# Allegro board FPGA-M1.brd (continued)
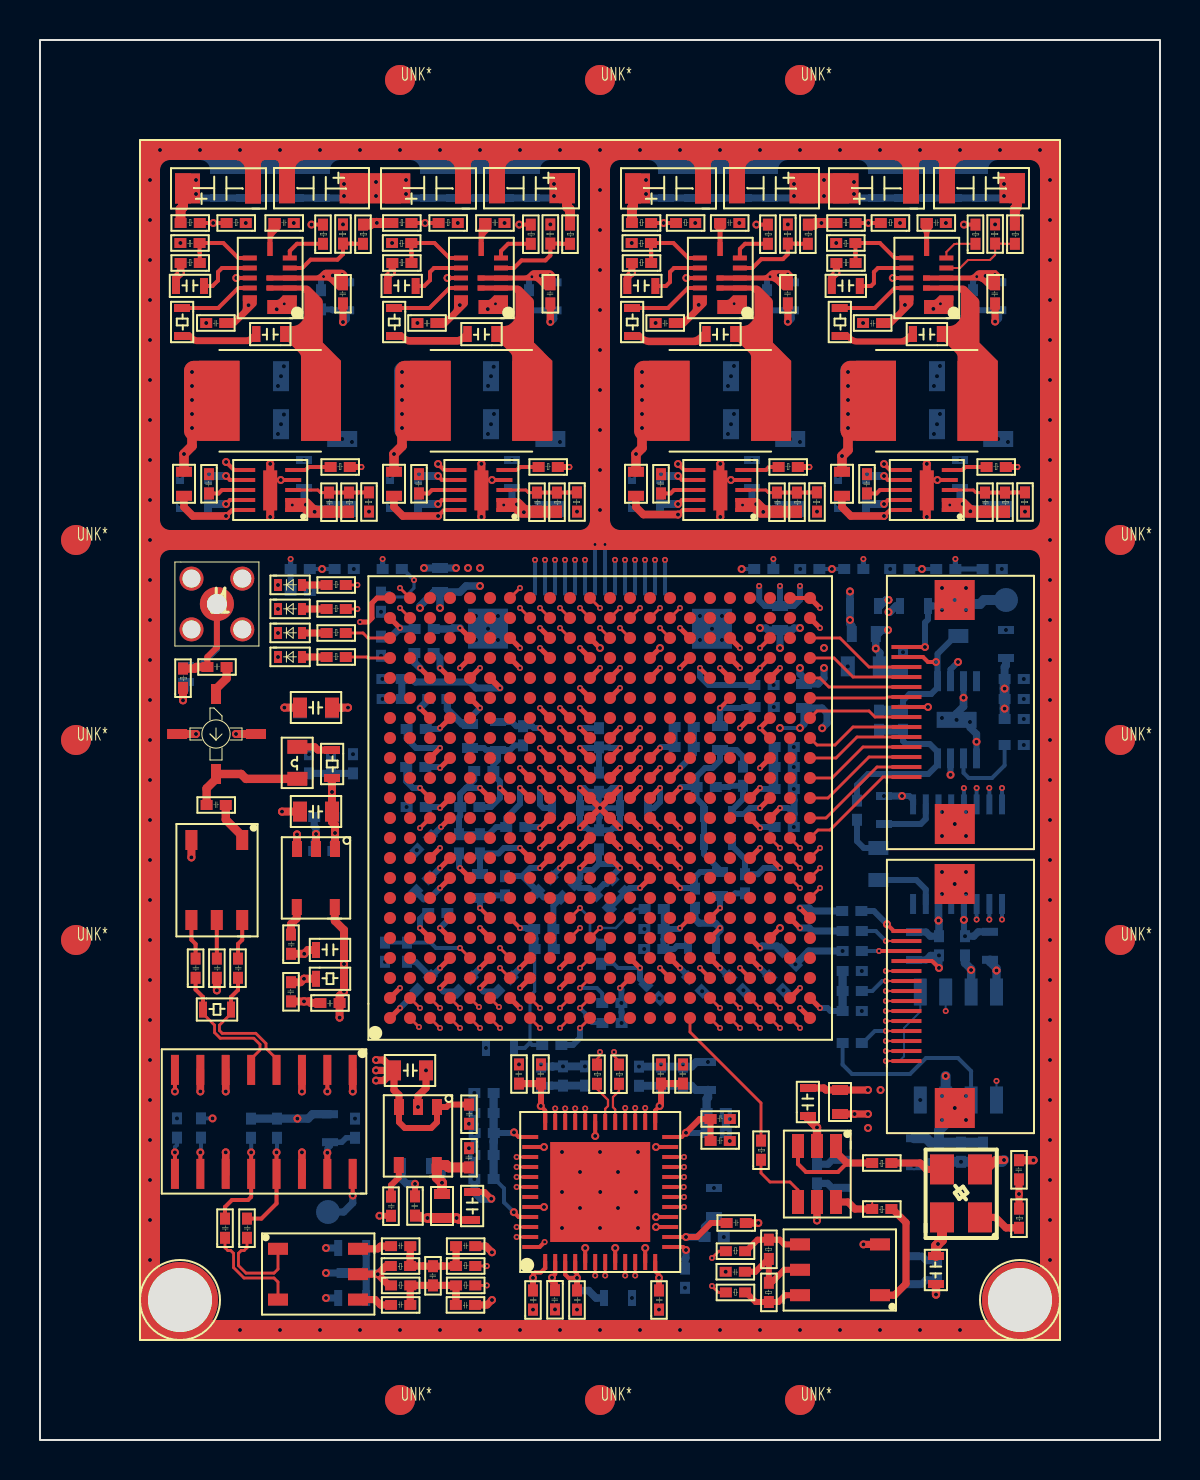
[diagram p0: board, top side]
## Placement (name value [footprint] x y rotation side) (continued)
NOREF#265  -  []  17.08 8.31 0 top
NOREF#266  -  []  38.46 45.96 0 top
NOREF#267  -  []  37.86 58.71 0 top
NOREF#268  -  []  37.64 60.32 0 top
NOREF#269  -  []  44.56 11.85 90 top
NOREF#270  -  []  14.76 56.37 90 top
NOREF#271  -  []  22.39 30.47 90 top
NOREF#272  -  []  45.59 47.5 90 top
NOREF#273  -  []  35.02 22.08 0 top
NOREF#274  -  []  46.26 59.55 0 top
NOREF#275  -  []  42.3 60.2 0 top
NOREF#276  -  []  39.65 25.28 0 top
NOREF#277  -  []  21.27 54.89 0 top
NOREF#278  -  []  30.82 21.68 0 top
NOREF#279  -  []  34.37 9.76 0 top
NOREF#280  -  []  44.01 6.09 90 top
NOREF#281  -  []  36.27 32.16 0 top
NOREF#282  -  []  18.75 59.68 0 top
NOREF#283  -  []  26.53 18.58 90 top
NOREF#284  -  []  5 65 0 top
NOREF#285  -  []  39.67 23.06 0 top
NOREF#286  -  []  18.9 48.61 90 top
NOREF#287  -  []  27.75 24.16 90 top
NOREF#288  -  []  30.01 55.1 90 top
NOREF#289  -  []  17.28 58.11 0 top
NOREF#290  -  []  46.23 42.38 90 top
NOREF#291  -  []  17.19 12.5 90 top
NOREF#292  -  []  21.2 10.9 0 top
NOREF#293  -  []  38.99 45.6 90 top
NOREF#294  -  []  19.66 12.66 90 top
NOREF#295  -  []  18.56 46.87 90 top
NOREF#296  -  []  28.56 19.23 0 top
NOREF#297  -  []  19.87 41.72 0 top
NOREF#298  -  []  39.67 23.06 90 top
NOREF#299  -  []  15.9 46.7 90 top
NOREF#300  -  []  18.11 55.1 90 top
NOREF#301  -  []  26.46 4.45 90 top
NOREF#302  -  []  31.8 60.2 0 top
NOREF#303  -  []  37.87 33.26 0 top
NOREF#304  -  []  6.9 46.39 0 top
NOREF#305  -  []  9.73 55.46 90 top
NOREF#306  -  []  21.1 37.6 0 top
NOREF#307  -  []  42.84 59.68 90 top
NOREF#308  -  []  41.3 48.61 90 top
NOREF#309  -  []  39.52 60.32 90 top
NOREF#310  -  []  22.49 36 90 top
NOREF#311  -  []  10.8 14.01 0 top
NOREF#312  -  []  23.7 25.7 90 top
NOREF#313  -  []  19.5 20.35 0 top
NOREF#314  -  []  41.39 62 90 top
NOREF#315  -  []  15.3 22.66 90 top
NOREF#316  -  []  16.25 34.04 0 top
NOREF#317  -  []  7.87 32.14 0 top
NOREF#318  -  []  9.18 8.05 90 top
NOREF#319  -  []  31.3 6.7 90 top
NOREF#320  -  []  12.31 54.1 0 top
NOREF#321  -  []  41.8 34.41 90 top
NOREF#322  -  []  44.1 8.2 0 top
NOREF#323  -  []  39.35 59.46 0 top
NOREF#324  -  []  35.5 25.11 90 top
NOREF#325  -  []  43.3 40 90 top
NOREF#326  -  []  30.89 62 0 top
NOREF#327  -  []  31.86 5.55 0 top
NOREF#328  -  []  44.1 8.2 0 top
NOREF#329  -  []  47.9 52.4 90 top
NOREF#330  -  []  25.87 24.16 0 top
NOREF#331  -  []  48.86 45.96 0 top
NOREF#332  -  []  28.34 33.83 0 top
NOREF#333  -  []  25.46 47.83 0 top
NOREF#334  -  []  16.66 39.74 0 top
NOREF#335  -  []  17.3 49.41 0 top
NOREF#336  -  []  15.81 10.2 90 top
NOREF#337  -  []  16.66 38.96 90 top
NOREF#338  -  []  36.69 9.55 0 top
NOREF#339  -  []  21.94 6.56 0 top
NOREF#340  -  []  29.12 31.95 90 top
NOREF#341  -  []  24.06 59.55 0 top
NOREF#342  -  []  14.27 44.72 0 top
NOREF#343  -  []  7.57 26 0 top
NOREF#344  -  []  39.67 19.46 90 top
NOREF#345  -  []  26.78 34.17 90 top
NOREF#346  -  []  24.19 65.2 0 top
NOREF#347  -  []  26.46 45.96 90 top
NOREF#348  -  []  30.56 7.94 0 top
NOREF#349  -  []  23.7 17.39 90 top
NOREF#350  -  []  43.55 54.89 90 top
NOREF#351  -  []  43.99 65.2 0 top
NOREF#352  -  []  10.8 35.95 0 top
NOREF#353  -  []  24.73 29.48 90 top
NOREF#354  -  []  18.88 57.3 90 top
NOREF#355  -  []  7.52 15.62 0 top
NOREF#356  -  []  17.88 14.01 90 top
NOREF#357  -  []  33.87 10.46 90 top
NOREF#358  -  []  10.75 33.71 0 top
NOREF#359  -  []  35.19 47.5 0 top
NOREF#360  -  []  38.51 8.9 90 top
NOREF#361  -  []  42.55 27.8 90 top
NOREF#362  -  []  41.39 62 0 top
NOREF#363  -  []  13.62 58.71 0 top
NOREF#364  -  []  47.77 39.22 0 top
NOREF#365  -  []  31.63 23.38 90 top
NOREF#366  -  []  29.76 25.94 90 top
NOREF#367  -  []  18.96 8.31 90 top
NOREF#368  -  []  44.39 9.3 0 top
NOREF#369  -  []  30.42 27.89 90 top
NOREF#370  -  []  6.09 47 0 top
NOREF#371  -  []  33.97 32.26 0 top
NOREF#372  -  []  18.83 34.2 90 top
NOREF#373  -  []  25.82 30.81 90 top
NOREF#374  -  []  48.56 12.57 90 top
NOREF#375  -  []  40.4 55.1 90 top
NOREF#376  -  []  30.66 46.87 0 top
NOREF#377  -  []  35.19 47.5 90 top
NOREF#378  -  []  21.15 21.25 90 top
NOREF#379  -  []  42.9 43.7 0 top
NOREF#380  -  []  15.47 37.98 0 top
NOREF#381  -  []  8.17 59.68 0 top
NOREF#382  -  []  36.47 49.04 0 top
NOREF#383  -  []  46.87 48.26 90 top
NOREF#384  -  []  16.27 7.96 0 top
NOREF#385  -  []  46.55 22.4 0 top
NOREF#386  -  []  17.4 47.79 0 top
NOREF#387  -  []  21.78 8.23 90 top
NOREF#388  -  []  28.24 17.35 90 top
NOREF#389  -  []  44.39 7.7 90 top
NOREF#390  -  []  40.63 20.1 90 top
NOREF#391  -  []  13.48 34.11 0 top
NOREF#392  -  []  32.62 59.68 90 top
NOREF#393  -  []  15.55 42.06 90 top
NOREF#394  -  []  12.8 35.95 90 top
NOREF#395  -  []  17.05 26.25 0 top
NOREF#396  -  []  45.66 11.85 0 top
NOREF#397  -  []  39.59 42.3 0 top
NOREF#398  -  []  27.1 32.01 0 top
NOREF#399  -  []  20.15 28.89 90 top
NOREF#400  -  []  17.28 60.32 90 top
NOREF#401  -  []  43.3 11.99 0 top
NOREF#402  -  []  42.69 62 90 top
NOREF#403  -  []  13.56 21.46 0 top
NOREF#404  -  []  34.88 11.95 0 top
NOREF#405  -  []  48.56 12.57 0 top
NOREF#406  -  []  16.86 21.85 90 top
NOREF#407  -  []  35.54 34.13 90 top
NOREF#408  -  []  47.1 46.7 90 top
NOREF#409  -  []  37.99 16.1 90 top
NOREF#410  -  []  28.7 31.2 90 top
NOREF#411  -  []  37.74 58.71 90 top
NOREF#412  -  []  47.09 23.91 0 top
NOREF#413  -  []  41.27 25.06 0 top
NOREF#414  -  []  24.66 17.36 0 top
NOREF#415  -  []  12.35 59.68 90 top
NOREF#416  -  []  35.85 32.26 90 top
NOREF#417  -  []  16.04 32.87 90 top
NOREF#418  -  []  21.94 7.53 0 top
NOREF#419  -  []  42.6 33.9 0 top
NOREF#420  -  []  29.4 49.41 0 top
NOREF#421  -  []  12.8 37.25 0 top
NOREF#422  -  []  18.31 24.22 0 top
NOREF#423  -  []  30.66 17.36 0 top
NOREF#424  -  []  40.63 21.1 90 top
NOREF#425  -  []  9.37 22.01 0 top
NOREF#426  -  []  45.59 47.5 0 top
NOREF#427  -  []  12.68 14.01 90 top
NOREF#428  -  []  25.13 56.37 0 top
NOREF#429  -  []  17.19 12.5 0 top
NOREF#430  -  []  18.69 6.56 0 top
NOREF#431  -  []  48.56 12.03 0 top
NOREF#432  -  []  18.82 29.83 90 top
NOREF#433  -  []  39.24 12.37 90 top
NOREF#434  -  []  37.31 6.21 90 top
NOREF#435  -  []  5.89 56.7 90 top
NOREF#436  -  []  40.96 57.68 0 top
NOREF#437  -  []  13.39 29.02 0 top
NOREF#438  -  []  29.77 26.94 90 top
NOREF#439  -  []  30.66 46.87 90 top
NOREF#440  -  []  36.74 57.67 90 top
NOREF#441  -  []  43.71 42.1 90 top
NOREF#442  -  []  20.45 20 0 top
NOREF#443  -  []  18.01 6.7 90 top
NOREF#444  -  []  32.94 59.68 0 top
NOREF#445  -  []  36.27 34.26 0 top
NOREF#446  -  []  39.5 29.91 90 top
NOREF#447  -  []  45.06 59.68 90 top
NOREF#448  -  []  38.99 45.6 0 top
NOREF#449  -  []  20.57 6.56 90 top
NOREF#450  -  []  38.46 45.96 90 top
NOREF#451  -  []  6.8 49.41 0 top
NOREF#452  -  []  8.4 48.61 90 top
NOREF#453  -  []  15.7 14.79 90 top
NOREF#454  -  []  9.4 15.62 90 top
NOREF#455  -  []  14.3 46.7 90 top
NOREF#456  -  []  44.11 11.99 90 top
NOREF#457  -  []  39.5 29.91 0 top
NOREF#458  -  []  38.19 38.05 0 top
NOREF#459  -  []  21.07 59.68 0 top
NOREF#460  -  []  0 0 90 top
NOREF#461  -  []  27.85 58.71 90 top
NOREF#462  -  []  32.19 62 90 top
NOREF#463  -  []  9.3 60.2 0 top
NOREF#464  -  []  37.8 37.2 0 top
NOREF#465  -  []  27.66 21.24 90 top
NOREF#466  -  []  43.18 59.68 0 top
NOREF#467  -  []  15.3 24.1 90 top
NOREF#468  -  []  12.94 24.95 0 top
NOREF#469  -  []  43.55 54.89 0 top
NOREF#470  -  []  23.14 16.18 90 top
NOREF#471  -  []  20.15 21.89 90 top
NOREF#472  -  []  13.8 29.55 0 top
NOREF#473  -  []  20.57 5.58 90 top
NOREF#474  -  []  42.69 62 0 top
NOREF#475  -  []  41.15 13.46 0 top
NOREF#476  -  []  29.76 26.72 0 top
NOREF#477  -  []  7.87 31.36 90 top
NOREF#478  -  []  24.19 63.6 90 top
NOREF#479  -  []  33.22 54.89 0 top
NOREF#480  -  []  37.46 47.83 0 top
NOREF#481  -  []  38.3 46.7 90 top
NOREF#482  -  []  5.98 35.55 0 top
NOREF#483  -  []  22.49 37.6 0 top
NOREF#484  -  []  12.79 47.5 90 top
NOREF#485  -  []  31.76 17.36 90 top
NOREF#486  -  []  14.8 36 90 top
NOREF#487  -  []  39.4 36.4 90 top
NOREF#488  -  []  44.35 42.38 0 top
NOREF#489  -  []  25.76 20.74 0 top
NOREF#490  -  []  18.15 7.96 90 top
NOREF#491  -  []  29.7 17.39 90 top
NOREF#492  -  []  30.75 27.31 90 top
NOREF#493  -  []  33.6 34.3 0 top
NOREF#494  -  []  20.63 59.68 90 top
NOREF#495  -  []  36.35 20.75 90 top
NOREF#496  -  []  35.5 24.3 90 top
NOREF#497  -  []  14.07 48.26 90 top
NOREF#498  -  []  21.59 62 0 top
NOREF#499  -  []  23.19 47.5 90 top
NOREF#500  -  []  48.86 45.96 90 top
NOREF#501  -  []  26.46 4.45 0 top
NOREF#502  -  []  32.19 62 0 top
NOREF#503  -  []  45.92 57.2 0 top
NOREF#504  -  []  21.81 61.24 0 top
NOREF#505  -  []  36.27 34.26 90 top
NOREF#506  -  []  37.23 29.3 90 top
NOREF#507  -  []  10.05 59.68 90 top
NOREF#508  -  []  43.41 32.3 90 top
NOREF#509  -  []  18.83 30.3 90 top
NOREF#510  -  []  29.27 58.11 0 top
NOREF#511  -  []  19.02 59.46 90 top
NOREF#512  -  []  15.1 50 90 top
NOREF#513  -  []  18.54 36.88 90 top
NOREF#514  -  []  13.69 62 90 top
NOREF#515  -  []  39.59 40.7 90 top
NOREF#516  -  []  43.87 60.46 90 top
NOREF#517  -  []  14.74 26.65 90 top
NOREF#518  -  []  11.9 51.6 0 top
NOREF#519  -  []  12.39 65.2 0 top
NOREF#520  -  []  33.07 15.66 90 top
NOREF#521  -  []  10.11 26 90 top
NOREF#522  -  []  16.41 10.01 0 top
NOREF#523  -  []  35.95 43.16 90 top
NOREF#524  -  []  23.56 17.36 0 top
NOREF#525  -  []  36.27 32.16 90 top
NOREF#526  -  []  22.95 59.68 90 top
NOREF#527  -  []  29.13 59.46 0 top
NOREF#528  -  []  41.23 59.46 90 top
NOREF#529  -  []  19 11.72 0 top
NOREF#530  -  []  26.46 7.94 0 top
NOREF#531  -  []  37.96 56.38 90 top
NOREF#532  -  []  19.84 13.75 90 top
NOREF#533  -  []  6.32 15.62 0 top
NOREF#534  -  []  17.3 55.1 0 top
NOREF#535  -  []  20.15 28.89 0 top
NOREF#536  -  []  27.9 46.39 0 top
NOREF#537  -  []  18.95 32.04 0 top
NOREF#538  -  []  39.69 14.11 90 top
NOREF#539  -  []  11.25 22.01 90 top
NOREF#540  -  []  36.46 47.83 0 top
NOREF#541  -  []  10.19 22.01 90 top
NOREF#542  -  []  35.43 6.21 0 top
NOREF#543  -  []  22.4 54 0 top
NOREF#544  -  []  12.42 33.83 90 top
NOREF#545  -  []  33.22 54.89 90 top
NOREF#546  -  []  43.03 13.46 90 top
NOREF#547  -  []  22.89 63.6 90 top
NOREF#548  -  []  17.02 10.11 0 top
NOREF#549  -  []  16.66 40.63 0 top
NOREF#550  -  []  18.75 57.68 0 top
NOREF#551  -  []  40.2 61.77 0 top
NOREF#552  -  []  38 7.24 0 top
NOREF#553  -  []  48.12 58.71 90 top
NOREF#554  -  []  9.79 62 90 top
NOREF#555  -  []  44.56 27.25 0 top
NOREF#556  -  []  47.86 47.83 0 top
NOREF#557  -  []  29.2 55.1 0 top
NOREF#558  -  []  21.6 25.3 0 top
NOREF#559  -  []  8.3 57.3 90 top
NOREF#560  -  []  23.48 4.46 0 top
NOREF#561  -  []  28.09 33.6 0 top
NOREF#562  -  []  13.87 41.16 90 top
NOREF#563  -  []  19.66 16.74 0 top
NOREF#564  -  []  47.77 36.66 0 top
NOREF#565  -  []  47.77 38.44 90 top
NOREF#566  -  []  26.78 34.17 0 top
NOREF#567  -  []  33.87 11.24 0 top
NOREF#568  -  []  42.84 57.68 90 top
NOREF#569  -  []  9.79 62 0 top
NOREF#570  -  []  47.77 36.66 90 top
NOREF#571  -  []  36.69 7.4 0 top
NOREF#572  -  []  21.1 36 90 top
NOREF#573  -  []  45.34 25.37 90 top
NOREF#574  -  []  34.82 59.68 90 top
NOREF#575  -  []  13.7 24.91 0 top
NOREF#576  -  []  18.69 8.52 0 top
NOREF#577  -  []  39.8 47.79 0 top
NOREF#578  -  []  31.01 59.46 90 top
NOREF#579  -  []  48.27 43.16 0 top
NOREF#580  -  []  35.27 36.26 0 top
NOREF#581  -  []  24.54 35.87 90 top
NOREF#582  -  []  40.96 46.87 90 top
NOREF#583  -  []  29.7 7.51 0 top
NOREF#584  -  []  18.83 34.2 0 top
NOREF#585  -  []  37.6 50 90 top
NOREF#586  -  []  13.69 62 0 top
NOREF#587  -  []  38.46 12.37 0 top
NOREF#588  -  []  37.15 57.98 0 top
NOREF#589  -  []  33.07 15.34 0 top
NOREF#590  -  []  32.2 55.46 90 top
NOREF#591  -  []  33.55 60.46 90 top
NOREF#592  -  []  40.63 21.1 0 top
NOREF#593  -  []  19.9 8.23 0 top
NOREF#594  -  []  37.04 25.06 90 top
NOREF#595  -  []  22.18 13.72 90 top
NOREF#596  -  []  39 41.9 90 top
NOREF#597  -  []  14.06 47.83 0 top
NOREF#598  -  []  21.61 32.35 0 top
NOREF#599  -  []  38.57 7.4 90 top
NOREF#600  -  []  30.87 57.3 90 top
NOREF#601  -  []  15.1 52.4 90 top
NOREF#602  -  []  26.46 45.96 0 top
NOREF#603  -  []  46.08 44.35 90 top
NOREF#604  -  []  40.45 43.94 0 top
NOREF#605  -  []  12.16 25.73 0 top
NOREF#606  -  []  45.73 16.2 0 top
NOREF#607  -  []  34.4 25.4 90 top
NOREF#608  -  []  27.9 46.39 90 top
NOREF#609  -  []  8.06 46.87 90 top
NOREF#610  -  []  26.3 46.7 90 top
NOREF#611  -  []  14.2 35.41 0 top
NOREF#612  -  []  11.9 54 0 top
NOREF#613  -  []  47.83 17 90 top
NOREF#614  -  []  15.44 21.46 90 top
NOREF#615  -  []  35.87 58.71 0 top
NOREF#616  -  []  38.57 9.55 90 top
NOREF#617  -  []  24.9 27.86 90 top
NOREF#618  -  []  47.04 57.67 90 top
NOREF#619  -  []  39.51 -2.9 90 top
NOREF#620  -  []  21.27 54.89 90 top
NOREF#621  -  []  39.67 24.84 90 top
NOREF#622  -  []  37.24 45.95 90 top
NOREF#623  -  []  13.66 59.55 0 top
NOREF#624  -  []  31.25 24.85 0 top
NOREF#625  -  []  16.59 45.6 0 top
NOREF#626  -  []  11.55 30.8 90 top
NOREF#627  -  []  40.96 59.68 0 top
NOREF#628  -  []  30.89 62 90 top
NOREF#629  -  []  44.7 51.6 0 top
NOREF#630  -  []  33 61.77 90 top
NOREF#631  -  []  23.82 7.53 90 top
NOREF#632  -  []  25.36 6.07 90 top
NOREF#633  -  []  35.4 19 90 top
NOREF#634  -  []  45.92 56.39 90 top
NOREF#635  -  []  41.53 25.28 90 top
NOREF#636  -  []  25.89 58.71 90 top
NOREF#637  -  []  44.11 22.3 90 top
NOREF#638  -  []  9.64 9.65 90 top
NOREF#639  -  []  13.87 41.94 0 top
NOREF#640  -  []  24.47 49.04 0 top
NOREF#641  -  []  43.2 6.09 0 top
NOREF#642  -  []  24.66 17.36 90 top
NOREF#643  -  []  33.07 16.44 0 top
NOREF#644  -  []  20.92 14.71 0 top
NOREF#645  -  []  42.76 41.45 0 top
NOREF#646  -  []  30.56 4.45 0 top
NOREF#647  -  []  33.49 62 90 top
NOREF#648  -  []  31.34 6.06 90 top
NOREF#649  -  []  13.25 28.28 0 top
NOREF#650  -  []  16.67 38.22 0 top
NOREF#651  -  []  22 43.8 90 top
NOREF#652  -  []  30.7 24.3 90 top
NOREF#653  -  []  22.86 26.77 0 top
NOREF#654  -  []  6.56 59.46 0 top
NOREF#655  -  []  40.45 43.16 90 top
NOREF#656  -  []  35.96 59.55 0 top
NOREF#657  -  []  20.1 14.91 90 top
NOREF#658  -  []  14.59 43.8 90 top
NOREF#659  -  []  18.45 29.7 90 top
NOREF#660  -  []  15.72 56.39 90 top
NOREF#661  -  []  38.24 45.95 90 top
NOREF#662  -  []  18.82 29.83 0 top
NOREF#663  -  []  18.95 31.26 90 top
NOREF#664  -  []  22.21 6.36 90 top
NOREF#665  -  []  15.9 7.02 90 top
NOREF#666  -  []  39.75 33.26 90 top
NOREF#667  -  []  13.87 43.14 0 top
NOREF#668  -  []  8.49 62 90 top
NOREF#669  -  []  17.8 61.77 0 top
NOREF#670  -  []  16.66 38.75 90 top
NOREF#671  -  []  8.17 57.68 0 top
NOREF#672  -  []  12.94 23.85 90 top
NOREF#673  -  []  5.89 58.3 0 top
NOREF#674  -  []  22.8 14.71 90 top
NOREF#675  -  []  15.7 41.87 0 top
NOREF#676  -  []  39.75 42.38 0 top
NOREF#677  -  []  41.2 17.7 90 top
NOREF#678  -  []  35.39 16.6 90 top
NOREF#679  -  []  18.99 62 0 top
NOREF#680  -  []  15.47 39.18 0 top
NOREF#681  -  []  43.6 41.3 90 top
NOREF#682  -  []  25.6 50 90 top
NOREF#683  -  []  46.24 58.71 0 top
NOREF#684  -  []  36.3 30.9 90 top
NOREF#685  -  []  31.27 36.82 0 top
NOREF#686  -  []  35.43 8.27 0 top
NOREF#687  -  []  39.74 58.71 90 top
NOREF#688  -  []  31.51 15.9 0 top
NOREF#689  -  []  15.62 58.71 0 top
NOREF#690  -  []  48.22 58.71 0 top
NOREF#691  -  []  18.83 30.3 0 top
NOREF#692  -  []  20.48 22.81 90 top
NOREF#693  -  []  45.29 62 90 top
NOREF#694  -  []  33.8 19.81 0 top
NOREF#695  -  []  24.47 48.26 90 top
NOREF#696  -  []  14.07 49.04 0 top
NOREF#697  -  []  20.4 44.6 0 top
NOREF#698  -  []  37.4 42.7 0 top
NOREF#699  -  []  23.64 26.77 90 top
NOREF#700  -  []  14.27 43.94 90 top
NOREF#701  -  []  39.69 15.71 0 top
NOREF#702  -  []  13.79 60.32 90 top
NOREF#703  -  []  45.5 60.2 90 top
NOREF#704  -  []  33.29 12.7 90 top
NOREF#705  -  []  8.44 59.46 90 top
NOREF#706  -  []  33.66 38.14 0 top
NOREF#707  -  []  19.66 13.44 0 top
NOREF#708  -  []  17.35 39.18 90 top
NOREF#709  -  []  35.27 36.26 90 top
NOREF#710  -  []  31.1 47.79 90 top
NOREF#711  -  []  28.3 22.71 0 top
NOREF#712  -  []  12.39 63.6 90 top
NOREF#713  -  []  41.09 57.3 90 top
NOREF#714  -  []  43.6 42.11 90 top
NOREF#715  -  []  46.64 23.77 90 top
NOREF#716  -  []  46.76 11.85 90 top
NOREF#717  -  []  33.6 34.3 90 top
NOREF#718  -  []  24.46 47.83 0 top
NOREF#719  -  []  33.49 62 0 top
NOREF#720  -  []  19.8 60.2 0 top
NOREF#721  -  []  43.4 61.77 90 top
NOREF#722  -  []  18.9 10.11 90 top
NOREF#723  -  []  43.92 17 90 top
NOREF#724  -  []  36.09 63.6 90 top
NOREF#725  -  []  43.54 39.57 90 top
NOREF#726  -  []  15.7 41.09 90 top
NOREF#727  -  []  9.13 22.01 90 top
NOREF#728  -  []  22.85 29.48 0 top
NOREF#729  -  []  27.46 19.23 0 top
NOREF#730  -  []  37 56.37 0 top
NOREF#731  -  []  18.95 37.44 0 top
NOREF#732  -  []  13.87 42.36 90 top
NOREF#733  -  []  30.56 4.45 90 top
NOREF#734  -  []  30.18 22.71 90 top
NOREF#735  -  []  25.13 56.37 90 top
NOREF#736  -  []  13.67 42.06 0 top
NOREF#737  -  []  15.84 45.95 90 top
NOREF#738  -  []  33.55 61.24 0 top
NOREF#739  -  []  13.81 45.68 0 top
NOREF#740  -  []  34.88 11.95 90 top
NOREF#741  -  []  23.82 8.52 90 top
NOREF#742  -  []  20.83 36.66 90 top
NOREF#743  -  []  46.76 11.85 0 top
NOREF#744  -  []  35.95 43.94 0 top
R1  100K  [R0402]  8 61.1 180 top
R2  DNP  [R0402]  10.3 61.1 180 top
R3  100K  [R0402]  18.58 61.1 180 top
R4  DNP  [R0402]  20.9 61.1 180 top
R5  100K  [R0402]  30.57 61.1 180 top
R6  DNP  [R0402]  32.77 61.1 180 top
R7  100K  [R0402]  40.79 61.1 180 top
R8  DNP  [R0402]  43.01 61.1 180 top
R9  100K  [R0402]  14.4 59.8 90 top
R10  787K  [R0402]  14.9 60.79 270 top
R11  DNP  [R0402]  16.4 59.8 90 top
R12  100K  [R0402]  24.79 59.8 90 top
R13  499K  [R0402]  25.27 60.79 270 top
R14  DNP  [R0402]  26.75 59.8 90 top
R15  100K  [R0402]  36.65 59.8 90 top
R16  180K  [R0402]  37.14 60.79 270 top
R17  DNP  [R0402]  38.64 59.8 90 top
R18  100K  [R0402]  47.02 59.8 90 top
R19  180K  [R0402]  47.51 60.79 270 top
R20  DNP  [R0402]  48.99 59.8 90 top
R21  40.2K  [R0402]  7.01 59.6 0 top
R22  40.2K  [R0402]  17.59 59.6 0 top
R23  40.2K  [R0402]  29.58 59.6 0 top
R24  40.2K  [R0402]  39.8 59.6 0 top
R25  328K  [R0402]  8 59.1 180 top
R26  240K  [R0402]  18.58 59.1 180 top
R27  180K  [R0402]  30.57 59.1 180 top
R28  100K  [R0402]  40.79 59.1 180 top
R29  0  [R0603]  6.7 56.7 270 top
R30  0  [R0603]  17.3 56.7 270 top
R31  0  [R0603]  29.2 56.7 270 top
R32  0  [R0603]  39.59 56.7 270 top
R33  20K  [R0402]  15.5 48.9 180 top
R34  20K  [R0402]  25.9 48.9 180 top
R35  20K  [R0402]  37.9 48.9 180 top
R36  20K  [R0402]  48.3 48.9 180 top
R37  10.5K  [R0402]  15.7 46.4 90 top
R38  2K  [R0402]  16.2 47.39 270 top
R39  3.57K  [R0402]  26.1 46.4 90 top
R40  1.15K  [R0402]  26.6 47.39 270 top
R41  2.43K  [R0402]  38.1 46.4 90 top
R42  1.15K  [R0402]  38.6 47.39 270 top
R43  5.9K  [R0402]  48.5 46.4 90 top
R44  11.8K  [R0402]  49 47.39 270 top
R45  1K  [R0402]  15.3 43 180 top
R46  1K  [R0402]  15.3 41.8 180 top
R47  1K  [R0402]  15.3 40.6 180 top
R48  1K  [R0402]  15.3 39.4 180 top
R49  49.9  [R0402]  7.4 37.6 90 top
R50  39  [R0603]  14.2 34.6 270 top
R51  10  [R0603]  13.7 22.66 0 top
R52  51  [R0603]  8.05 21.12 0 top
R53  100  [R0402]  28.1 17.8 90 top
R54  100  [R0402]  29.2 17.8 90 top
R55  100  [R0402]  36.3 14 90 top
R56  33  [R0402]  41.6 13.6 0 top
R57  100  [R0402]  41.6 11.3 0 top
R58  1K  [R0402]  49.2 10.6 90 top
R59  49.9  [R0402]  36.19 10.02 270 top
R60  33  [R0402]  35.26 9.69 180 top
R61  DNP  [R0402]  17.53 8.45 0 top
R62  33  [R0402]  21.77 8.95 180 top
R63  DNP  [R0402]  18.52 7.98 180 top
R64  33  [R0402]  21.77 7.98 180 top
R65  33  [R0402]  35.26 7.63 180 top
R66  49.9  [R0402]  36.19 7.87 270 top
R67  DNP  [R0402]  44.8 43.8 0 bottom
R68  0  [R0402]  42.5 43.8 0 bottom
R69  0  [R0402]  40.2 43.8 0 bottom
R70  DNP  [R0402]  38 43.8 0 bottom
R71  10K  [R0402]  35.7 43.8 0 bottom
R72  DNP  [R0402]  18.1 43.3 180 bottom
R73  0  [R0402]  15.7 43.3 180 bottom
R74  DNP  [R0402]  13.5 43.3 180 bottom
R75  0  [R0402]  16.8 41.4 90 bottom
R76  10K  [R0603]  42.9 42.1 0 bottom
R77  10K  [R0402]  41.7 35.5 90 bottom
R78  5.1K  [R0402]  40.6 31 90 bottom
R79  1K  [R0402]  31.2 26.3 180 bottom
R80  10K  [R0402]  41.1 25.2 180 bottom
R81  10K  [R0402]  18.1 23.9 90 bottom
R82  10K  [R0402]  27.8 23.8 90 bottom
R83  10K  [R0402]  41.1 22.2 180 bottom
R84  10K  [R0402]  28.1 22.1 0 bottom
R85  1K  [R0402]  29.09 20.6 180 bottom
R86  25  [R0402]  41.1 19.6 180 bottom
R87  1K  [R0402]  25.1 20 0 bottom
R88  10  [R0603]  14.1 14.79 90 bottom
R89  51  [R0402]  11.6 15.1 90 bottom
R90  51  [R0402]  10.3 15.1 90 bottom
R91  51  [R0402]  7.1 16.09 270 bottom
T1  ETC1-1T-2TR  [SM-22]  10.75 29.9 180 top
T2  ETC1-1T-2TR  [SM-22]  41.9 6.6 90 top
T3  ETC1-1T-2TR  [SM-22]  12 10.2 270 top
TP1  T POINT R  [SCREW-M3]  7 7 0 top
TP2  T POINT R  [SCREW-M3]  49 7 0 top
TP3  T POINT S  [TP_SMD_CIR_1D2]  48.3 42 180 bottom
TP4  T POINT S  [TP_SMD_CIR_1D2]  14.4 11.4 180 bottom
U1  MP2326GD  [QFN-14]  11.5 58.1 180 top
U2  MP2326GD  [QFN-14]  22.06 58.1 180 top
U3  MP2326GD  [QFN-14]  34.01 58.1 180 top
U4  MP2326GD  [QFN-14]  44.33 58.1 180 top
U5  TPS7A9201DSKR  [WSON-10]  12.66 46.5 180 top
U6  TPS7A9201DSKR  [WSON-10]  23.22 46.5 180 top
U7  TPS7A9201DSKR  [WSON-10]  35.16 46.5 180 top
U8  TPS7A9201DSKR  [WSON-10]  45.49 46.5 180 top
U9  EP4CE40F23I7  [FBGA-484]  17.5 21.1 90 top
U10  SGM2028-3.3  [SOT-23-5]  13.8 28.1 180 top
U11  AD8306AR  [SO-16]  11.2 15.9 180 top
U12  SGM2028-3.3  [SOT-23-5]  18.9 15.2 180 top
U13  SN74LVC2G34DBVR  [SOT-23-6]  39.8 14.7 270 top
U14  LTC2207  [QFN-48]  28.01 12.4 90 top
U15  TPA711  [MSOP-8-PAD]  46.83 37.7 180 bottom
U16  PCM1754  [SSOP-16]  43.4 26.2 90 bottom
U17  EPCQ16ASI8N  [SO-8]  47.83 22.4 180 bottom
UNK*  -  [unnamed#2]  54 35 0 top
UNK*#2  -  [unnamed#2]  54 45 0 top
UNK*#3  -  [unnamed#2]  28 2 0 top
UNK*#4  -  [unnamed#2]  54 25 0 top
UNK*#5  -  [unnamed#2]  38 2 0 top
UNK*#6  -  [unnamed#2]  28 68 0 top
UNK*#7  -  [unnamed#2]  18 2 0 top
UNK*#8  -  [unnamed#2]  38 68 0 top
UNK*#9  -  [unnamed#2]  1.8 45 0 top
UNK*#10  -  [unnamed#2]  18 68 0 top
UNK*#11  -  [unnamed#2]  1.8 25 0 top
UNK*#12  -  [unnamed#2]  1.8 35 0 top
UNK*#13  -  [unnamed#2]  54 45 180 bottom
UNK*#14  -  [unnamed#2]  38 68 180 bottom
UNK*#15  -  [unnamed#2]  18 2 180 bottom
UNK*#16  -  [unnamed#2]  1.8 25 180 bottom
UNK*#17  -  [unnamed#2]  54 35 180 bottom
UNK*#18  -  [unnamed#2]  18 68 180 bottom
UNK*#19  -  [unnamed#2]  1.8 35 180 bottom
UNK*#20  -  [unnamed#2]  1.8 45 180 bottom
UNK*#21  -  [unnamed#2]  28 2 180 bottom
UNK*#22  -  [unnamed#2]  28 68 180 bottom
UNK*#23  -  [unnamed#2]  54 25 180 bottom
UNK*#24  -  [unnamed#2]  38 2 180 bottom
Y1  KC3225A49.1520C30E00  [TSX-3225-4P]  47.3 10.7 90 top

## Library data of the parts
A1 = ERA-2SM
C1-C36 C38 C40 C42 C47-C58 C60-C62 C67 C70 C72 C73 C76-C156 C158-C171 C173-C223 C226-C241 C243-C248 = CAP NP
C37 C39 C41 C43-C46 C59 C63 C64 C68 C157 C172 C224 C225 = CAP NP: signal model: DEFAULT_CAPACITOR_100000pF_2_1
C65 C71 C74 C242 = CAP NP: signal model: DEFAULT_CAPACITOR_1e+06pF_2_1
C66 C69 C75 = CAP NP: signal model: DEFAULT_CAPACITOR_8.200000pF_2_1
D1-D4 = LED
D5 = DIODE TVS BI-DIR
J1 = SMA-CONNECTOR
J2-J4 = FPC-14P-0.5
L1-L4 = INDUCTOR
L5-L8 L10-L19 = BEAD
L9 = INDUCTOR: signal model: DEFAULT_INDUCTOR_1000nH_2_1
R1-R48 R53-R55 R57 R58 R71 R76-R78 R80-R84 = R
R49 R59 R66 = R: signal model: DEFAULT_RESISTOR_49.900000OHM_2_1
R50-R52 R56 R88-R91 = R: signal model: DEFAULT_RESISTOR_39.000000OHM_2_1
R60-R65 R67-R70 R72-R75 R79 R85-R87 = R: signal model: DEFAULT_RESISTOR_22.000000OHM_2_1
T1-T3 = ADT2-1T+_0
TP1 TP2 = T POINT R
TP3 TP4 = T POINT S
U1-U4 = MP2326GD
U5-U8 = TPS7A9201DSKR
U9 = EP4CE40F23I7_6
U10 U12 = SGM2028-3.3
U11 = AD8306AR_0
U13 = SN74LVC2G34DBV
U14 = LTC2207
U15 = TPA711
U16 = PCM1754
U17 = EPCS4SI8N_0
Y1 = OSCILLATOR

## Footprints (pads in the part's own frame, mm; a bottom-side part is the same pattern mirrored in y, then rotated)
C0402
  rect 0.6x0.5 smd: 1(0.01,0.25) 2(0.97,0.25)
C0603
  rect 0.4x0.8 smd: 1(0.1,0.4) 2(1.5,0.4)
C0805
  rect 0.7x1 smd: 1(0.2,0.62) 2(1.8,0.62)
C1206
  rect 0.8x1.5 smd: 1(-0.15,0.79) 2(3.35,0.79)
CD54-IND-2P
  rect 2x4 smd: 1(0,2.54) 2(5.08,2.54)
DF1006
  rect 0.4x0.8 smd: 1(0.1,0.3) 2(0.9,0.3)
ERA-2SM
  rect 1x0.5 smd: 1(-2,0) 3(2,0)
  rect 0.5x1 smd: 2(0,-1.945) 4(0,2)
FB0603
  rect 0.5x0.8 smd: 1(0.2,0.4) 2(1.4,0.4)
FBGA-484
  round 0.6 smd: A1(0,0) A2(1,0) A3(2,0) A4(3,0) A5(4,0) A6(5,0) A7(6,0) A8(7,0) A9(8,0) A10(9,0) A11(10,0) A12(11,0) A13(12,0) A14(13,0) A15(14,0) A16(15,0) A17(16,0) A18(17,0) A19(18,0) A20(19,0) A21(20,0) A22(21,0) AA1(0,-20) AA2(1,-20) AA3(2,-20) AA4(3,-20) AA5(4,-20) AA6(5,-20) AA7(6,-20) AA8(7,-20) AA9(8,-20) AA10(9,-20) AA11(10,-20) AA12(11,-20) AA13(12,-20) AA14(13,-20) AA15(14,-20) AA16(15,-20) AA17(16,-20) AA18(17,-20) AA19(18,-20) AA20(19,-20) AA21(20,-20) AA22(21,-20) AB1(0,-21) AB2(1,-21) AB3(2,-21) AB4(3,-21) AB5(4,-21) AB6(5,-21) AB7(6,-21) AB8(7,-21) AB9(8,-21) AB10(9,-21) AB11(10,-21) AB12(11,-21) AB13(12,-21) AB14(13,-21) AB15(14,-21) AB16(15,-21) AB17(16,-21) AB18(17,-21) AB19(18,-21) AB20(19,-21) AB21(20,-21) AB22(21,-21) B1(0,-1) B2(1,-1) B3(2,-1) B4(3,-1) B5(4,-1) B6(5,-1) B7(6,-1) B8(7,-1) B9(8,-1) B10(9,-1) B11(10,-1) B12(11,-1) B13(12,-1) B14(13,-1) B15(14,-1) B16(15,-1) B17(16,-1) B18(17,-1) B19(18,-1) B20(19,-1) B21(20,-1) B22(21,-1) C1(0,-2) C2(1,-2) C3(2,-2) C4(3,-2) C5(4,-2) C6(5,-2) C7(6,-2) C8(7,-2) C9(8,-2) C10(9,-2) C11(10,-2) C12(11,-2) C13(12,-2) C14(13,-2) C15(14,-2) C16(15,-2) C17(16,-2) C18(17,-2) C19(18,-2) C20(19,-2) C21(20,-2) C22(21,-2) D1(0,-3) D2(1,-3) D3(2,-3) D4(3,-3) D5(4,-3) D6(5,-3) D7(6,-3) D8(7,-3) D9(8,-3) D10(9,-3) D11(10,-3) D12(11,-3) D13(12,-3) D14(13,-3) D15(14,-3) D16(15,-3) D17(16,-3) D18(17,-3) D19(18,-3) D20(19,-3) D21(20,-3) D22(21,-3) E1(0,-4) E2(1,-4) E3(2,-4) E4(3,-4) E5(4,-4) E6(5,-4) E7(6,-4) E8(7,-4) E9(8,-4) E10(9,-4) E11(10,-4) E12(11,-4) E13(12,-4) E14(13,-4) E15(14,-4) E16(15,-4) E17(16,-4) E18(17,-4) E19(18,-4) E20(19,-4) E21(20,-4) E22(21,-4) F1(0,-5) F2(1,-5) F3(2,-5) F4(3,-5) F5(4,-5) F6(5,-5) F7(6,-5) F8(7,-5) F9(8,-5) F10(9,-5) F11(10,-5) F12(11,-5) F13(12,-5) F14(13,-5) F15(14,-5) F16(15,-5) F17(16,-5) F18(17,-5) F19(18,-5) F20(19,-5) F21(20,-5) F22(21,-5) G1(0,-6) G2(1,-6) G3(2,-6) G4(3,-6) G5(4,-6) G6(5,-6) G7(6,-6) G8(7,-6) G9(8,-6) G10(9,-6) G11(10,-6) G12(11,-6) G13(12,-6) G14(13,-6) G15(14,-6) G16(15,-6) G17(16,-6) G18(17,-6) G19(18,-6) G20(19,-6) G21(20,-6) G22(21,-6) H1(0,-7) H2(1,-7) H3(2,-7) H4(3,-7) H5(4,-7) H6(5,-7) H7(6,-7) H8(7,-7) H9(8,-7) H10(9,-7) H11(10,-7) H12(11,-7) H13(12,-7) H14(13,-7) H15(14,-7) H16(15,-7) H17(16,-7) H18(17,-7) H19(18,-7) H20(19,-7) H21(20,-7) H22(21,-7) J1(0,-8) J2(1,-8) J3(2,-8) J4(3,-8) J5(4,-8) J6(5,-8) J7(6,-8) J8(7,-8) J9(8,-8) J10(9,-8) J11(10,-8) J12(11,-8) J13(12,-8) J14(13,-8) J15(14,-8) J16(15,-8) J17(16,-8) J18(17,-8) J19(18,-8) J20(19,-8) J21(20,-8) J22(21,-8) K1(0,-9) K2(1,-9) K3(2,-9) K4(3,-9) K5(4,-9) K6(5,-9) K7(6,-9) K8(7,-9) K9(8,-9) K10(9,-9) K11(10,-9) K12(11,-9) K13(12,-9) K14(13,-9) K15(14,-9) K16(15,-9) K17(16,-9) K18(17,-9) K19(18,-9) K20(19,-9) K21(20,-9) K22(21,-9) L1(0,-10) L2(1,-10) L3(2,-10) L4(3,-10) L5(4,-10) L6(5,-10) L7(6,-10) L8(7,-10) L9(8,-10) L10(9,-10) L11(10,-10) L12(11,-10) L13(12,-10) L14(13,-10) L15(14,-10) L16(15,-10) L17(16,-10) L18(17,-10) L19(18,-10) L20(19,-10) L21(20,-10) L22(21,-10) M1(0,-11) M2(1,-11) M3(2,-11) M4(3,-11) M5(4,-11) M6(5,-11) M7(6,-11) M8(7,-11) M9(8,-11) M10(9,-11) M11(10,-11) M12(11,-11) M13(12,-11) M14(13,-11) M15(14,-11) M16(15,-11) M17(16,-11) M18(17,-11) M19(18,-11) M20(19,-11) M21(20,-11) M22(21,-11) N1(0,-12) N2(1,-12) N3(2,-12) N4(3,-12) N5(4,-12) N6(5,-12) N7(6,-12) N8(7,-12) N9(8,-12) N10(9,-12) N11(10,-12) N12(11,-12) N13(12,-12) N14(13,-12) N15(14,-12) N16(15,-12) N17(16,-12) N18(17,-12) N19(18,-12) N20(19,-12) N21(20,-12) N22(21,-12) P1(0,-13) P2(1,-13) P3(2,-13) P4(3,-13) P5(4,-13) P6(5,-13) P7(6,-13) P8(7,-13) P9(8,-13) P10(9,-13) P11(10,-13) P12(11,-13) P13(12,-13) P14(13,-13) P15(14,-13) P16(15,-13) P17(16,-13) P18(17,-13) P19(18,-13) P20(19,-13) P21(20,-13) P22(21,-13) R1(0,-14) R2(1,-14) R3(2,-14) R4(3,-14) R5(4,-14) R6(5,-14) R7(6,-14) R8(7,-14) R9(8,-14) R10(9,-14) R11(10,-14) R12(11,-14) R13(12,-14) R14(13,-14) R15(14,-14) R16(15,-14) R17(16,-14) R18(17,-14) R19(18,-14) R20(19,-14) R21(20,-14) R22(21,-14) T1(0,-15) T2(1,-15) T3(2,-15) T4(3,-15) T5(4,-15) T6(5,-15) T7(6,-15) T8(7,-15) T9(8,-15) T10(9,-15) T11(10,-15) T12(11,-15) T13(12,-15) T14(13,-15) T15(14,-15) T16(15,-15) T17(16,-15) T18(17,-15) T19(18,-15) T20(19,-15) T21(20,-15) T22(21,-15) U1(0,-16) U2(1,-16) U3(2,-16) U4(3,-16) U5(4,-16) U6(5,-16) U7(6,-16) U8(7,-16) U9(8,-16) U10(9,-16) U11(10,-16) U12(11,-16) U13(12,-16) U14(13,-16) U15(14,-16) U16(15,-16) U17(16,-16) U18(17,-16) U19(18,-16) U20(19,-16) U21(20,-16) U22(21,-16) V1(0,-17) V2(1,-17) V3(2,-17) V4(3,-17) V5(4,-17) V6(5,-17) V7(6,-17) V8(7,-17) V9(8,-17) V10(9,-17) V11(10,-17) V12(11,-17) V13(12,-17) V14(13,-17) V15(14,-17) V16(15,-17) V17(16,-17) V18(17,-17) V19(18,-17) V20(19,-17) V21(20,-17) V22(21,-17) W1(0,-18) W2(1,-18) W3(2,-18) W4(3,-18) W5(4,-18) W6(5,-18) W7(6,-18) W8(7,-18) W9(8,-18) W10(9,-18) W11(10,-18) W12(11,-18) W13(12,-18) W14(13,-18) W15(14,-18) W16(15,-18) W17(16,-18) W18(17,-18) W19(18,-18) W20(19,-18) W21(20,-18) W22(21,-18) Y1(0,-19) Y2(1,-19) Y3(2,-19) Y4(3,-19) Y5(4,-19) Y6(5,-19) Y7(6,-19) Y8(7,-19) Y9(8,-19) Y10(9,-19) Y11(10,-19) Y12(11,-19) Y13(12,-19) Y14(13,-19) Y15(14,-19) Y16(15,-19) Y17(16,-19) Y18(17,-19) Y19(18,-19) Y20(19,-19) Y21(20,-19) Y22(21,-19)
